# Altium PCB OSA_V100.PcbDoc (part 3 of 5)
Units mm, origin at the board's own origin, x right, y up, seen from the top; angles counter-clockwise.
Board outline 82 x 80 mm, 6 copper layers ([L1] TOP, [L2] GND_1, [L3] SIGNAL, [L4] POWER, [L5] GND_2, [L6] BOTTOM), stack 1.608 mm thick; 297 components, 180 nets, 1222 pads, 1522 vias.
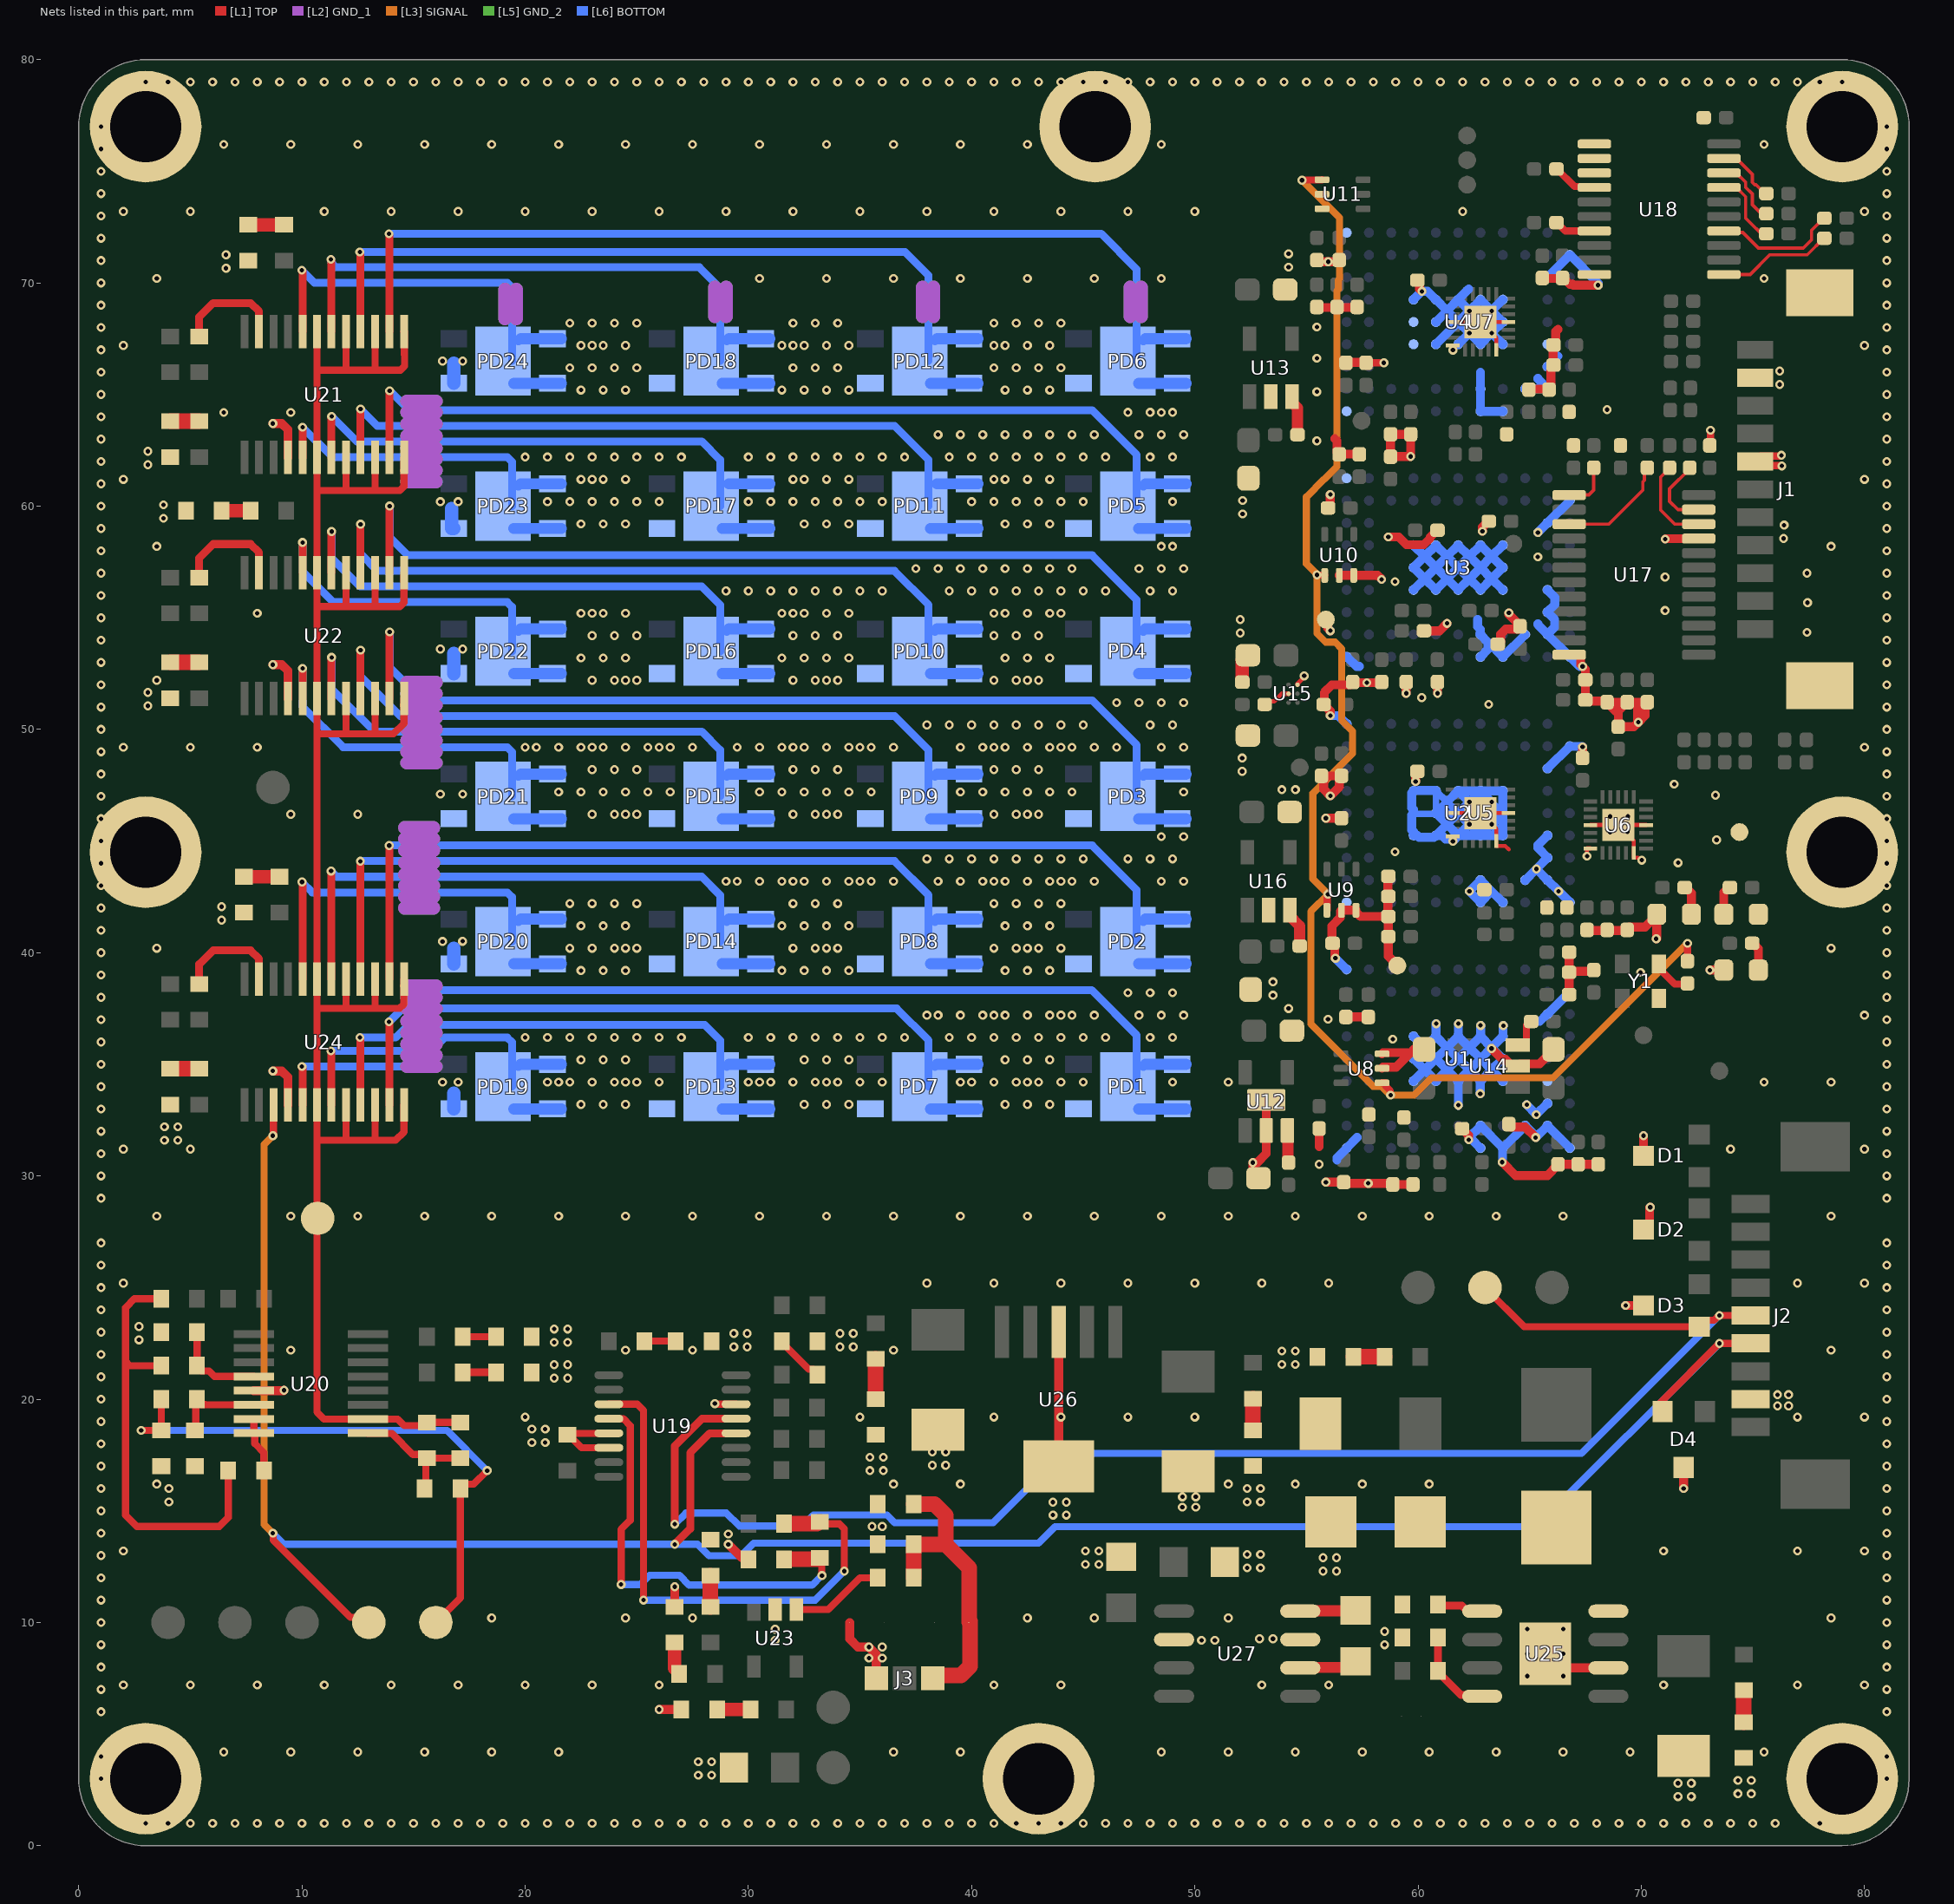
[diagram p7: the nets of this part, all layers, seen from the top]

## Via types
v1: diameter 0.4, hole 0.2, [L1] TOP to [L6] BOTTOM, tented both sides, 1522 vias

## Nets (pads, with @x,y where several pads share a name; then routed paths per layer and width w, separated by ;. In a path a pad name is that pad's centre, name@x,y a point inside that pad or via, vN(x,y) a via of type N, cw(c..) or ccw(c..) an arc to the next point about the centre after c; other vN are vias at no path point) (continued)
GND: C1.1 C2.1 C3.1 C4.1 C5.1 C6.1 C7.1 C8.1 C9.1 C10.1 C11.1 C12.1 C13.1 C14.1 C15.1 C16.1 C17.1 C18.1 C19.1 C20.1 C21.1 C22.1 C23.1 C24.1 C25.1 C26.1 C27.1 C28.1 C29.1 C30.1 C31.1 C32.1 C33.1 C34.1 C35.1 C36.1 C37.1 C38.1 C39.1 C40.1 C41.1 C42.1 C43.1 C44.1 C45.1 C46.1 C47.1 C48.1 C49.1 C50.1 C51.1 C52.1 C53.1 C54.1 C55.1 C56.1 C57.1 C58.1 C59.1 C60.1 C61.1 C62.1 C63.1 C64.1 C65.1 C66.1 C67.1 C68.1 C69.2 C70.2 C71.2 C72.2 C73.2 C74.2 C75.2 C76.2 C77.2 C78.2 C79.1 C80.1 C81.1 C82.1 C86.1 C87.1 C88.1 C92.1 C93.1 C94.1 C95.1 C96.1 C100.1 C101.1 C104.1 C105.1 C108.1 C109.1 C110.2 C113.1 C114.1 C118.2 C119.2 C120.1 C121.1 C124.2 C125.2 C126.1 C127.1 C128.2 C130.1 C131.1 C133.1 D1.2 D2.2 D3.2 D4.2 D5.1 DO1.1 DO2.1 DO3.1 H5.1 H6.1 H7.1 H8.1 H9.1 H10.1 H11.1 H12.1 J1.7 J1.10 J1.M1 J1.M2 J2.2 J3.1 JP2.2 PD1.1 PD2.1 PD3.1 PD4.1 PD5.1 PD6.1 PD7.1 PD8.1 PD9.1 PD10.1 PD11.1 PD12.1 PD13.1 PD14.1 PD15.1 PD16.1 PD17.1 PD18.1 PD19.1 PD20.1 PD21.1 PD22.1 PD23.1 PD24.1 R1.2 R8.2 R10.2 R12.2 R46.2 R63.1 R67.1 TP33.0 TP34.0 TP35.0 U1.A11 U1.B1 U1.C2 U1.D4 U1.D5 U1.D6 U1.D7 U1.D8 U1.E4 U1.E5 U1.E6 U1.E7 U1.E8 U1.F2 U1.F4 U1.F5 U1.F6 U1.F7 U1.F8 U1.G2 U1.H2 U1.H3 U1.H5 U1.J1 U1.J4 U1.J5 U1.J11 U2.A11 U2.B1 U2.C2 U2.D4 U2.D5 U2.D6 U2.D7 U2.D8 U2.E4 U2.E5 U2.E6 U2.E7 U2.E8 U2.F2 U2.F4 U2.F5 U2.F6 U2.F7 U2.F8 U2.G2 U2.H2 U2.H3 U2.H5 U2.J1 U2.J4 U2.J5 U2.J11 U3.A11 U3.B1 U3.C2 U3.D4 U3.D5 U3.D6 U3.D7 U3.D8 U3.E4 U3.E5 U3.E6 U3.E7 U3.E8 U3.F2 U3.F4 U3.F5 U3.F6 U3.F7 U3.F8 U3.G2 U3.H2 U3.H3 U3.H5 U3.J1 U3.J4 U3.J5 U3.J11 U4.A11 U4.B1 U4.C2 U4.D4 U4.D5 U4.D6 U4.D7 U4.D8 U4.E4 U4.E5 U4.E6 U4.E7 U4.E8 U4.F2 U4.F4 U4.F5 U4.F6 U4.F7 U4.F8 U4.G2 U4.H2 U4.H3 U4.H5 U4.J1 U4.J4 U4.J5 U4.J11 U5.5 U5.9 U5.21 U5.24 U5.25 U6.5 U6.9 U6.21 U6.24 U6.25 U7.5 U7.9 U7.21 U7.24 U7.25 U8.2 U8.3 U9.2 U9.3 U10.2 U10.3 U11.2 U11.3 U12.2 U12.7 U13.2 U14.2 U15.C1 U16.2 U17.12 U17.21 U18.1 U18.2 U18.3 U18.10 U19.5 U19.6 U19.14 U20.13 U21.4 U22.4 U23.2 U24.4 U25.6 U25.9 U26.3 U26.6 U27.3 U27.6 Y1.2 | length 392.8
  [L1] TOP w0.18: U5.24@61.55,45.2 v1@61.661,45.089 ; U5.21@61.55,46.25 U5.9@64.05,46.25 ; U7.24@61.55,67.2 v1@61.661,67.089 ; U7.21@61.55,68.25 U7.9@64.05,68.25 ; v1(63.298,45.752) 63.499,45.551 63.499,45.001 U5.5@63.5,45 63.5,44.786 63.501,44.785 63.905,44.785 64.07,44.62 ; v1(63.298,67.752) 63.5,67.55 U7.5@63.5,67 ; v1(67.57,44.32) 67.57,44.669 67.571,44.67 U6.24@67.72,44.67 ; U6.21@67.72,45.72 U6.25@68.97,45.72 ; U6.25@69.074,45.72 v1(69.387,45.407) ; v1(70.024,44.144) 69.964,44.144 69.853,44.255 69.671,44.255 69.67,44.256 69.67,45.02 U6.25@68.97,45.72 ; U6.9@70.22,45.72 U6.25@68.97,45.72
  [L1] TOP w0.2: U15.C1@54.6,52 54.6,52.046 54.9,52.346 v1(54.9,52.4)
  [L1] TOP w0.32: U19.6@23.75,17.825 22.525,17.825 21.95,18.4 C88.1@21.9,18.4 21.969,18.469 23.744,18.469 U19.5@23.75,18.475 ; v1(28.5,19.8) 28.522,19.8 28.541,19.781 29.444,19.781 U19.14@29.45,19.775 ; C18.1@57.67,66.42 v1(58.47,66.42) ; C80.1@73.07,62.72 73.1,62.72 v1(73.1,63.4) ; v1(76.279,62.279) 76.257,62.279 76.218,62.24 75.34,62.24 J1.7@75.1,62 75.285,61.815 76.285,61.815 v1(76.3,61.8)
  [L1] TOP w0.4: U20.13@7.847,20.382 9.182,20.382 v1(9.2,20.4) ; v1(8.7,34.7) 9.1,34.7 9.375,34.425 U24.4@9.375,33.181 ; v1(8.7,52.9) 9.1,52.9 9.375,52.625 U22.4@9.375,51.381 ; v1(8.7,63.7) 9.1,63.7 9.375,63.425 U21.4@9.375,62.181 ; v1(26,6.1) C133.1@27,6.1 ; C109.1@26.7,10.7 v1(26.7,11.6) ; v1(29.1,13.5) 29.683,12.917 29.908,12.917 R46.2@30,12.825 ; JP2.2@34.538,10 34.538,9.262 34.9,8.9 v1(35.4,8.9) 35.73,8.57 J3.1@35.73,7.5 ; U26.6@43.9,16.99 U26.3@43.9,23.01 ; C69.2@52.85,29.9 52.6,30.15 v1(52.6,30.6) 52.8,30.6 53.2,31 U12.2@53.2,32.038 U12.7@53.2,33.4 ; C56.1@55.47,68.895 C16.1@57.27,68.895 ; C67.1@55.47,71.02 55.541,70.949 56.424,70.949 R12.2@56.47,70.995 ; 55.57,31.32 C66.1@55.57,32.12 ; v1(55.87,29.72) C42.1@56.67,29.72 56.72,29.67 v1(57.77,29.67) 58.82,29.67 C21.1@58.87,29.62 C23.1@59.77,29.62 ; v1(55.87,46.02) C65.1@56.57,46.02 ; TP34.0@55.87,54.92 55.947,54.843 55.947,54.543 v1(56.07,54.42) ; C68.1@55.97,59.92 56.07,60.02 v1(56.07,60.52) ; v1(56.07,50.62) 56.07,50.82 R8.2@55.77,51.12 55.745,51.12 55.8,51.175 55.8,51.65 56.145,51.995 56.97,51.995 C52.1@57.07,52.095 ; 56.27,63.02 56.37,62.92 56.37,62.42 C50.1@56.47,62.32 56.482,62.332 57.357,62.332 R10.2@57.37,62.345 ; v1(56.298,39.752) 56.27,39.78 56.27,40.32 R1.2@56.17,40.42 56.145,40.42 56.145,41.194 56.52,41.569 56.52,41.85 U9.2@56.57,41.9 U9.3@57.22,41.9 57.22,41.82 57.42,41.62 C48.1@58.645,41.62 ; U10.2@56.47,56.9 58.19,56.9 v1(58.37,56.72) ; C37.1@56.77,37.12 C2.1@57.77,37.12 ; C58.1@56.77,66.445 C18.1@57.67,66.445 ; C52.1@57.07,52.12 C52.1@57.07,52.095 ; C30.1@58.37,52.12 58.345,52.095 v1(57.707,52.095) C52.1@57.07,52.095 ; U8.2@58.39,34.82 58.44,34.87 59.02,34.87 59.67,35.52 ; U8.3@58.39,35.47 58.44,35.52 59.67,35.52 ; C6.1@58.645,43.42 C48.1@58.645,41.62 ; v1(58.67,58.62) 59.138,58.62 59.488,58.27 60.252,58.27 60.545,58.563 60.545,58.62 60.845,58.92 C53.1@60.87,58.92 ; TP35.0@59.07,39.42 59.07,39.439 58.67,39.839 C48.1@58.67,41.62 C48.1@58.645,41.62 ; v1(59.47,51.62) C49.1@59.47,52.12 ; v1(59.895,47.67) 59.895,48.07 C62.1@59.945,48.12 ; C17.1@59.945,70.12 C17.1@59.97,70.12 60.07,70.02 60.07,69.72 v1(60.17,69.62) ; C13.1@60.27,54.42 60.97,54.42 61.297,54.747 v1(61.297,54.75) ; v1(60.87,51.62) C31.1@60.87,52.12 ; C4.1@61.945,32.12 C4.1@61.97,32.12 62.27,31.82 v1(62.27,31.62) ; v1(62.883,58.87) 62.883,59.058 63.145,59.32 C14.1@63.17,59.32 ; v1(63.294,35.708) 63.57,35.432 63.57,35.425 63.775,35.22 63.92,35.22 64.22,34.92 U14.2@64.47,34.92 64.57,35.02 65.443,35.02 66.07,35.647 C73.2@66.07,35.67 ; C12.1@63.57,53.82 63.595,53.82 63.695,53.92 63.695,54.261 63.929,54.495 64.47,54.495 64.57,54.595 64.57,54.645 64.07,55.145 v1(64.07,55.22) ; v1(63.77,30.62) 64.37,30.02 65.795,30.02 66.27,30.495 C3.1@66.27,30.52 66.87,30.52 C40.1@68.07,30.52 ; C22.1@64.07,32.32 64.07,32.295 64.17,32.195 64.795,32.195 v1(65.27,31.72) ; C36.1@64.97,65.245 65.87,65.245 65.957,65.332 65.957,66.232 66.045,66.32 66.045,67.22 C57.1@66.07,67.22 66.17,67.32 66.17,67.82 66.27,67.92 ; C60.1@65.57,70.245 65.57,70.195 C63.1@66.47,70.195 ; U25.9@65.7,8.6 66.335,7.965 U25.6@68.525,7.965 ; C63.1@66.47,70.22 C63.1@66.47,70.195 ; C1.1@66.77,38.12 C39.1@66.77,39.12 ; C41.1@66.77,40.02 C39.1@66.77,39.12 ; U17.12@66.77,53.345 67.261,53.345 67.286,53.32 v1@67.286,52.904 ; C61.1@67.37,48.745 v1(67.37,49.22) ; v1(67.37,52.82) 67.495,52.695 C47.1@67.495,51.32 67.545,51.27 68.42,51.27 C11.1@68.47,51.22 ; C7.1@67.57,40.995 C46.1@69.37,40.995 ; C64.1@67.87,39.22 67.82,39.17 66.82,39.17 C39.1@66.77,39.12 ; v1(68.067,69.9) 66.953,69.9 66.92,69.933 66.804,69.933 66.642,70.095 66.57,70.095 C63.1@66.47,70.195 ; v1(69.3,24.2) D3.2@70.1,24.2 ; C46.1@69.37,41.02 69.37,41.045 69.47,41.145 70.163,41.145 DO2.1@70.695,41.677 ; D2.2@70.1,27.6 70.125,27.6 70.375,27.85 70.375,28.575 v1(70.4,28.6) ; D1.2@70.1,30.9 v1(70.1,31.8) ; v1(70.67,40.62) 70.695,40.645 DO2.1@70.695,41.677 ; DO2.1@70.695,41.72 DO2.1@70.695,41.677 ; v1(71.07,58.52) 71.095,58.545 U17.21@72.57,58.545 ; v1(71.9,16) D4.2@71.9,16.95 ; v1(73.07,39.22) DO1.1@73.695,39.22 ; 59.67,35.52 59.82,35.67 C74.2@60.27,35.67 60.12,35.52 59.67,35.52 ; C11.1@68.47,51.22 68.47,51.195 68.845,50.82 68.97,50.82 ; C11.1@68.47,51.22 C29.1@69.37,51.22 C29.1@69.37,51.195 ; 68.97,50.82 C10.1@68.97,50.12 69.67,50.12 v1(69.87,50.32) ; 68.97,50.82 69.245,51.095 69.27,51.095 C29.1@69.37,51.195 ; C29.1@69.37,51.195 69.395,51.22 69.832,51.22 ; 69.832,51.22 69.832,50.358 v1(69.87,50.32) ; 69.832,51.22 C54.1@70.27,51.22 70.17,51.12 70.17,50.62 v1(69.87,50.32) ; C44.1@55.67,47.92 55.77,47.82 55.77,47.32 v1(56.07,47.02) 56.477,47.427 56.477,47.827 C9.1@56.57,47.92 C44.1@55.67,47.92 ; C15.1@58.77,62.217 58.776,62.223 v1(59.667,62.223) 59.67,62.226 C59.1@59.67,63.22 C33.1@58.77,63.22 C15.1@58.77,62.217
  [L1] TOP w0.6: C82.1@52.13,52.12 52.13,53.12 52.33,53.32 C75.2@52.38,53.32
  [L2] GND_1 w0.6: 14.6,42 15.9,42 ; 14.6,42.5 15.9,42.5 ; 14.6,43 15.9,43 ; 14.6,43.5 15.9,43.5 ; 14.6,44.029 15.9,44.029 ; 14.6,44.584 15.9,44.584 ; 14.6,45.1 15.9,45.1 ; 14.6,45.6 15.9,45.6 ; 14.7,34.9 16,34.9 ; 14.7,35.4 16,35.4 ; 14.7,35.9 16,35.9 ; 14.7,36.4 16,36.4 ; 14.7,36.929 16,36.929 ; 14.7,37.484 16,37.484 ; 14.7,38 16,38 ; 14.7,38.5 16,38.5 ; 14.7,48.5 16,48.5 ; 14.7,49 16,49 ; 14.7,49.5 16,49.5 ; 14.7,50 16,50 ; 14.7,50.529 16,50.529 ; 14.7,51.084 16,51.084 ; 14.7,51.6 16,51.6 ; 14.7,52.1 16,52.1 ; 14.7,61.1 16,61.1 ; 14.7,61.6 16,61.6 ; 14.7,62.1 16,62.1 ; 14.7,62.6 16,62.6 ; 14.7,63.129 16,63.129 ; 14.7,63.684 16,63.684 ; 14.7,64.2 16,64.2 ; 14.7,64.7 16,64.7 ; 19.1,68.4 19.1,69.7 ; 19.6,68.4 19.6,69.7 ; 28.5,68.5 28.5,69.8 ; 29,68.5 29,69.8 ; 37.8,68.5 37.8,69.8 ; 38.3,68.5 38.3,69.8 ; 47.1,68.5 47.1,69.8 ; 47.6,68.5 47.6,69.8
  [L5] GND_2 w0.6: 14.6,42 15.9,42 ; 14.6,42.5 15.9,42.5 ; 14.6,43 15.9,43 ; 14.6,43.5 15.9,43.5 ; 14.6,44.029 15.9,44.029 ; 14.6,44.584 15.9,44.584 ; 14.6,45.1 15.9,45.1 ; 14.6,45.6 15.9,45.6 ; 14.7,34.9 16,34.9 ; 14.7,35.4 16,35.4 ; 14.7,35.9 16,35.9 ; 14.7,36.4 16,36.4 ; 14.7,36.929 16,36.929 ; 14.7,37.484 16,37.484 ; 14.7,38 16,38 ; 14.7,38.5 16,38.5 ; 14.7,48.5 16,48.5 ; 14.7,49 16,49 ; 14.7,49.5 16,49.5 ; 14.7,50 16,50 ; 14.7,50.529 16,50.529 ; 14.7,51.084 16,51.084 ; 14.7,51.6 16,51.6 ; 14.7,52.1 16,52.1 ; 14.7,61.1 16,61.1 ; 14.7,61.6 16,61.6 ; 14.7,62.1 16,62.1 ; 14.7,62.6 16,62.6 ; 14.7,63.129 16,63.129 ; 14.7,63.684 16,63.684 ; 14.7,64.2 16,64.2 ; 14.7,64.7 16,64.7 ; 19.1,68.4 19.1,69.7 ; 19.6,68.4 19.6,69.7 ; 28.5,68.5 28.5,69.8 ; 29,68.5 29,69.8 ; 37.8,68.5 37.8,69.8 ; 38.3,68.5 38.3,69.8 ; 47.1,68.5 47.1,69.8 ; 47.6,68.5 47.6,69.8
  [L6] BOTTOM w0.3: U2.E8@59.8,46.25 59.829,46.221 60.062,46.221 60.063,46.22 60.729,46.22 60.759,46.25 U2.E7@60.8,46.25 ; v1(63.302,46.748) U2.E4@63.8,46.25 U2.E5@62.8,46.25 62.797,46.25 U2.E6@61.8,46.25 ; U2.E7@60.8,46.25 U2.E6@61.8,46.25 ; U2.E7@60.8,46.25 U2.D7@60.8,47.25 61.3,46.75 U2.E6@61.8,46.25
  [L6] BOTTOM w0.4: v1(56.07,50.62) 56.416,50.62 56.786,50.25 U2.A11@56.8,50.25 ; v1(56.298,39.752) U1.A11@56.8,39.25 ; 56.37,30.72 56.37,30.806 56.8,31.236 U1.J11@56.8,31.25 57.27,31.72 ; U3.J11@56.8,53.25 56.814,53.25 57.244,52.82 57.37,52.82 ; U1.F8@59.8,34.25 60.3,34.75 ; U1.D8@59.8,36.25 60.3,35.75 ; U3.F8@59.8,56.25 60.3,56.75 ; U3.D8@59.8,58.25 60.3,57.75 ; U4.D8@59.8,69.25 v1(60.17,69.62) 60.416,69.62 60.786,69.25 U4.D7@60.8,69.25 61.3,68.75 ; U2.D7@60.8,47.25 60.786,47.25 60.766,47.27 60.042,47.27 60.032,47.26 59.81,47.26 U2.D8@59.8,47.25 59.8,47.236 59.72,47.156 59.72,46.492 59.79,46.422 59.79,46.26 U2.E8@59.8,46.25 59.8,46.236 59.72,46.156 59.72,45.492 59.79,45.422 59.79,45.26 59.81,45.24 59.972,45.24 60.042,45.17 60.706,45.17 60.786,45.25 U2.F7@60.8,45.25 ; U4.F7@60.8,67.25 U4.E6@61.8,68.25 ; U4.E7@60.8,68.25 61.3,68.75 ; v1(60.812,36.817) 60.81,36.815 60.81,36.26 U1.D7@60.8,36.25 ; U2.F6@61.661,45.25 61.661,45.089 61.225,45.089 61.073,45.24 60.81,45.24 U2.F7@60.8,45.25 ; U2.F6@61.777,45.25 61.784,45.257 61.784,45.266 61.3,45.75 ; U1.F6@61.79,34.24 61.794,34.24 61.807,34.227 v1(61.807,33.167) ; U4.F6@61.8,67.25 v1(62.302,67.752) ; U1.D6@61.81,36.26 v1@61.81,36.815 ; U2.F6@61.811,45.261 v1(62.302,45.752) ; U2.F6@61.822,45.25 U2.F5@62.8,45.25 ; 62.27,69.72 U4.D6@61.8,69.25 ; 62.67,54.92 62.67,54.602 62.79,54.482 62.79,54.26 U3.H5@62.8,54.25 62.8,54.236 63.141,53.895 63.141,53.591 U3.J5@62.8,53.25 ; v1@62.79,33.685 U1.F5@62.79,34.24 ; U2.E5@62.797,46.25 v1(62.298,46.748) ; U1.J5@62.8,31.25 62.786,31.25 62.416,31.62 v1(62.27,31.62) 62.27,31.706 62.8,32.236 U1.H5@62.8,32.25 U1.J4@63.8,31.25 ; 62.8,66 U4.H5@62.8,65.25 U4.J5@62.8,64.25 U4.J4@63.8,64.25 ; U4.F5@62.8,67.25 U4.F5@62.8,67.253 ; U4.D5@62.8,69.25 U4.D5@62.8,69.247 ; v1(62.801,36.74) 62.801,36.268 U1.D5@62.81,36.26 ; 63.148,53.902 U3.J4@63.8,53.25 U3.H3@64.8,54.25 ; v1(63.77,30.62) 63.79,30.64 63.79,31.24 U1.J4@63.8,31.25 ; U1.F4@63.8,34.25 63.3,34.75 ; U1.D4@63.8,36.25 v1@63.3,35.75 ; U2.J4@63.8,42.25 63.3,42.75 ; U3.F4@63.8,56.25 63.3,56.75 ; U3.D4@63.8,58.25 63.3,57.75 ; U4.F4@63.8,67.25 v1(63.298,67.752) ; U4.D4@63.8,69.25 v1(63.298,68.748) ; U1.D4@63.81,36.26 63.81,36.723 v1(63.819,36.732) ; U1.H3@64.8,32.25 U1.J4@63.8,31.25 ; U2.H3@64.8,43.25 v1(65.302,43.752) ; U4.H3@64.8,65.25 U4.H2@65.8,65.25 65.8,65.264 65.37,65.694 65.37,65.72 ; U1.H3@64.814,32.25 65.27,31.794 v1(65.27,31.72) U1.H2@65.79,32.24 ; v1(64.868,33.191) 65.298,32.761 v1(65.298,32.748) U1.G2@65.8,33.25 ; 65.17,36.92 65.456,36.92 65.786,37.25 U1.C2@65.8,37.25 U1.B1@66.8,38.25 ; 65.37,54.72 65.37,54.694 U3.H2@65.8,54.264 ; v1(65.37,58.82) U3.C2@65.8,59.25 U3.B1@66.8,60.25 ; U1.H2@65.8,32.25 U1.J1@66.8,31.25 ; U2.F2@65.8,45.25 65.37,44.82 65.37,44.694 65.8,44.264 U2.G2@65.8,44.25 v1(65.302,43.752) ; U2.C2@65.8,48.25 U2.B1@66.8,49.25 66.81,49.24 67.35,49.24 v1(67.37,49.22) ; U3.G2@65.8,55.25 65.8,55.264 66.128,55.591 66.128,55.909 65.8,56.236 U3.F2@65.8,56.25 ; U4.G2@65.8,66.25 66.27,66.72 ; U4.C2@65.8,70.25 U4.B1@66.8,71.25 68.067,69.983 v1(68.067,69.9) ; U3.G2@65.81,55.24 65.81,55.229 66.122,54.917 66.122,54.585 U3.H2@65.8,54.264 ; U2.J1@66.8,42.25 v1(66.298,42.752) U2.H2@65.8,43.25 65.302,43.748 v1(65.302,43.752) ; v1(67.37,52.82) 67.244,52.82 66.814,53.25 U3.J1@66.8,53.25 U3.H2@65.8,54.25 U3.H2@65.8,54.264 ; 60.3,34.75 U1.E8@59.8,35.25 60.3,35.75 ; 60.3,34.75 U1.F7@60.8,34.25 61.3,34.75 ; 60.3,34.75 U1.E7@60.8,35.25 ; 60.3,35.75 U1.E7@60.8,35.25 ; 60.3,35.75 U1.D7@60.8,36.25 ; 60.3,56.75 U3.E8@59.8,57.25 60.3,57.75 ; 60.3,56.75 U3.E7@60.8,57.25 ; 60.3,56.75 U3.F7@60.8,56.25 61.3,56.75 ; 60.3,57.75 U3.E7@60.8,57.25 ; 60.3,57.75 U3.D7@60.8,58.25 61.3,57.75 ; U1.E7@60.8,35.25 61.3,34.75 ; U1.E7@60.8,35.25 61.3,35.75 ; U1.D7@60.8,36.25 61.3,35.75 ; U2.F7@60.8,45.25 61.3,45.75 ; U3.E7@60.8,57.25 61.3,56.75 ; U3.E7@60.8,57.25 61.3,57.75 ; 61.3,34.75 U1.F6@61.8,34.25 62.3,34.75 ; 61.3,34.75 U1.E6@61.8,35.25 ; 61.3,35.75 U1.E6@61.8,35.25 ; 61.3,35.75 U1.D6@61.8,36.25 62.3,35.75 ; 61.3,45.75 U2.E7@60.8,46.25 61.3,46.75 U2.D6@61.8,47.25 U2.D6@61.8,47.247 ; 61.3,45.75 U2.E6@61.8,46.25 ; 61.3,56.75 U3.E6@61.8,57.25 ; 61.3,56.75 U3.F6@61.8,56.25 62.3,56.75 ; 61.3,57.75 U3.E6@61.8,57.25 ; 61.3,57.75 U3.D6@61.8,58.25 62.3,57.75 ; 61.3,68.75 U4.E6@61.8,68.25 ; 61.3,68.75 U4.D6@61.8,69.25 ; U1.E6@61.8,35.25 62.3,34.75 ; U1.E6@61.8,35.25 62.3,35.75 ; U2.E6@61.8,46.25 62.298,45.752 v1(62.302,45.752) ; U2.E6@61.8,46.25 v1(62.298,46.748) ; U2.D6@61.8,47.247 61.803,47.25 U2.D5@62.8,47.25 ; U2.D6@61.8,47.247 v1(62.298,46.748) ; U3.E6@61.8,57.25 62.3,56.75 ; U3.E6@61.8,57.25 62.3,57.75 ; U4.E6@61.8,68.25 61.803,68.25 v1(62.302,68.748) ; U4.E6@61.8,68.25 62.298,67.752 v1(62.302,67.752) ; U4.D6@61.8,69.25 v1(62.302,68.748) ; v1(62.298,46.748) U2.D5@62.8,47.25 ; 62.3,34.75 U1.E5@62.8,35.25 ; 62.3,34.75 U1.F5@62.8,34.25 63.3,34.75 ; 62.3,35.75 U1.E5@62.8,35.25 ; 62.3,35.75 U1.D5@62.8,36.25 v1@63.3,35.75 ; 62.3,56.75 U3.F5@62.8,56.25 63.3,56.75 ; 62.3,56.75 U3.E5@62.8,57.25 ; 62.3,57.75 U3.E5@62.8,57.25 ; 62.3,57.75 U3.D5@62.8,58.25 63.3,57.75 ; v1(62.302,45.752) U2.F5@62.8,45.253 ; v1(62.302,45.752) U2.E5@62.8,46.25 ; v1(62.302,67.752) U4.E5@62.8,68.25 ; v1(62.302,67.752) U4.F5@62.8,67.253 ; v1(62.302,68.748) U4.E5@62.8,68.25 ; v1(62.302,68.748) U4.D5@62.8,69.247 ; U1.E5@62.8,35.25 63.3,34.75 ; U1.E5@62.8,35.25 v1@63.3,35.75 ; U2.F5@62.8,45.25 U2.F5@62.8,45.253 ; U2.F5@62.8,45.25 U2.F4@63.8,45.25 ; U2.F5@62.8,45.253 v1(63.298,45.752) ; U2.E5@62.8,46.25 v1(63.298,45.752) ; U2.E5@62.8,46.25 63.298,46.748 v1(63.302,46.748) U2.D5@62.8,47.25 ; U2.D5@62.8,47.25 U2.D4@63.8,47.25 U2.E4@63.8,46.25 ; U3.E5@62.8,57.25 63.3,57.75 ; U3.E5@62.8,57.25 63.3,56.75 ; U4.F5@62.8,67.253 v1(63.298,67.752) ; U4.E5@62.8,68.25 v1(63.298,67.752) ; U4.E5@62.8,68.25 v1(63.298,68.748) ; U4.D5@62.8,69.247 v1(63.298,68.748) ; v1(63.298,45.752) 63.302,45.752 U2.E4@63.8,46.25 ; v1(63.298,45.752) U2.F4@63.8,45.25 ; v1(63.298,67.752) 63.797,68.25 U4.E4@63.8,68.25 63.302,68.748 v1(63.298,68.748) ; 63.3,34.75 U1.E4@63.8,35.25 63.318,35.732 v1@63.3,35.75 ; 63.3,42.75 U2.J5@62.8,42.25 62.797,42.25 v1(62.298,42.748) U2.H5@62.8,43.25 63.3,42.75 ; 63.3,56.75 U3.E4@63.8,57.25 63.3,57.75 ; U2.F4@63.8,45.25 U2.E4@63.8,46.25
  [L6] BOTTOM w0.6: 16.7,59.9 16.7,59 PD23.1@16.8,59 ; PD19.1@16.8,33 16.8,33.7 ; PD20.1@16.8,39.5 16.8,40.2 ; PD22.1@16.8,52.5 16.8,53.4 ; PD24.1@16.8,65.5 16.8,66.4
  other v1: 3,1 4,1 5,1 6,1 7,1 8,1 9,1 10,1 11,1 12,1 13,1 14,1 15,1 16,1 17,1 18,1 19,1 20,1 21,1 22,1 23,1 24,1 25,1 26,1 27,1 28,1 29,1 30,1 31,1 32,1 33,1 34,1 35,1 36,1 37,1 38,1 39,1 40,1 41,1 42,1 43,1 44,1 45,1 46,1 47,1 48,1 49,1 50,1 51,1 52,1 53,1 54,1 55,1 56,1 57,1 58,1 59,1 60,1 61,1 62,1 63,1 64,1 65,1 66,1 67,1 68,1 69,1 70,1 71,1 72,1 73,1 74,1 75,1 76,1 78,1 71.643,2.2 72.243,2.2 74.33,2.328 74.93,2.328 71.643,2.8 72.243,2.8 74.33,2.928 74.93,2.928 1,3 81,3 27.757,3.157 28.357,3.157 27.757,3.757 28.357,3.757 1,4 81,4 6.5,4.2 9.5,4.2 12.5,4.2 15.5,4.2 18.5,4.2 21.5,4.2 36.5,4.2 39.5,4.2 48.5,4.2 51.5,4.2 54.5,4.2 57.5,4.2 60.5,4.2 63.5,4.2 66.5,4.2 69.5,4.2 75.5,4.2 1,6 81,6 1,7 81,7 2,7.2 5,7.2 8,7.2 11,7.2 14,7.2 17,7.2 20,7.2 23,7.2 26,7.2 41,7.2 44,7.2 53,7.2 56,7.2 71,7.2 77,7.2 80,7.2 64.9,7.6 66.5,7.6 1,8 81,8 35.4,8.4 36,8.4 64.9,8.6 66.5,8.6 36,8.9 1,9 58.5,9 81,9 31.2,9.2 50.3,9.2 50.9,9.2 52.9,9.27 53.5,9.27 58.5,9.6 31.2,9.7 64.9,9.7 66.5,9.7 1,10 81,10 18.5,10.2 24.5,10.2 27.5,10.2 42.5,10.2 45.5,10.2 51.5,10.2 78.5,10.2 1,11 81,11 1,12 81,12 55.743,12.3 56.343,12.3 52.343,12.443 52.943,12.443 45.1,12.6 45.7,12.6 55.743,12.9 56.343,12.9 1,13 81,13 52.343,13.043 52.943,13.043 2,13.2 45.1,13.2 45.7,13.2 71,13.2 77,13.2 80,13.2 29.1,13.957 1,14 81,14 35.543,14.3 36,14.3 43.647,14.809 44.247,14.809 1,15 81,15 49.443,15.165 50.043,15.165 43.643,15.39 44.243,15.39 4.043,15.4 52.343,15.4 52.943,15.4 49.444,15.624 50.044,15.624 1,16 4.043,16 52.343,16 52.943,16 81,16 3.5,16.2 36.5,16.2 39.5,16.2 51.5,16.2 54.5,16.2 57.5,16.2 60.5,16.2 35.443,16.8 36.043,16.8 1,17 81,17 38.238,17.038 38.838,17.038 35.443,17.4 36.043,17.4 38.238,17.638 38.838,17.638 1,18 81,18 20.3,18.057 20.9,18.057 20.3,18.657 20.9,18.657 1,19 81,19 20,19.2 35,19.2 41,19.2 44,19.2 47,19.2 50,19.2 77,19.2 80,19.2 76.1,19.7 76.6,19.7 1,20 81,20 76.1,20.2 76.6,20.2 21.3,20.943 21.9,20.943 1,21 81,21 21.3,21.543 21.9,21.543 53.9,21.557 54.5,21.557 1,22 81,22 53.9,22.157 54.5,22.157 9.5,22.2 24.5,22.2 27.5,22.2 36.5,22.2 78.5,22.2 29.35,22.343 29.95,22.343 34.1,22.343 34.7,22.343 21.3,22.543 21.9,22.543 2.7,22.657 29.35,22.943 29.95,22.943 34.1,22.943 34.7,22.943 1,23 81,23 21.3,23.143 21.9,23.143 2.7,23.257 1,24 81,24 1,25 81,25 2,25.2 38,25.2 41,25.2 44,25.2 47,25.2 50,25.2 53,25.2 56,25.2 77,25.2 80,25.2 1,26 81,26 1,27 81,27 3.5,28.2 9.5,28.2 12.5,28.2 15.5,28.2 18.5,28.2 21.5,28.2 24.5,28.2 27.5,28.2 30.5,28.2 33.5,28.2 36.5,28.2 39.5,28.2 42.5,28.2 45.5,28.2 48.5,28.2 51.5,28.2 54.5,28.2 57.5,28.2 60.5,28.2 63.5,28.2 66.5,28.2 78.5,28.2 1,29 81,29 1,30 81,30 55.57,30.52 1,31 81,31 2,31.2 5,31.2 74,31.2 80,31.2 3.843,31.6 4.443,31.6 1,32 81,32 3.843,32.2 4.443,32.2 1,33 81,33 22.5,33.2 23.5,33.2 24.5,33.2 32.5,33.2 33.5,33.2 34.5,33.2 41.5,33.2 42.5,33.2 43.5,33.2 62.788,33.683 1,34 81,34 16.3,34.2 17,34.2 21,34.2 21.5,34.2 22,34.2 23,34.2 24,34.2 24.5,34.2 25,34.2 26,34.2 30,34.2 30.5,34.2 31,34.2 32,34.2 33,34.2 33.5,34.2 34,34.2 35,34.2 36,34.2 39.5,34.2 40,34.2 41,34.2 42,34.2 42.5,34.2 43,34.2 44,34.2 45,34.2 49,34.2 51.5,34.2 75.5,34.2 78.5,34.2 1,35 81,35 22.5,35.2 23.5,35.2 24.5,35.2 32.5,35.2 33.5,35.2 34.5,35.2 41.5,35.2 42.5,35.2 43.5,35.2 1,36 81,36 58.867,36.123 20,36.2 21,36.2 22,36.2 23,36.2 24,36.2 25,36.2 26,36.2 27,36.2 30,36.2 31,36.2 32,36.2 33,36.2 34,36.2 35,36.2 36,36.2 37,36.2 39,36.2 40,36.2 41,36.2 42,36.2 43,36.2 44,36.2 45,36.2 46,36.2 48,36.2 49,36.2 61.812,36.817 1,37 81,37 55.97,37.02 38,37.2 38.5,37.2 39.5,37.2 40.5,37.2 41,37.2 41.5,37.2 42.5,37.2 43.5,37.2 44,37.2 44.5,37.2 45.5,37.2 47.5,37.2 48.5,37.2 49.5,37.2 80,37.2 54.2,37.5 1,38 81,38 53.5,38.093 47,38.2 48,38.2 49,38.2 53.5,38.693 1,39 81,39 69.97,39.12 22.5,39.2 23.5,39.2 24.5,39.2 31.5,39.2 32.5,39.2 33.5,39.2 34.5,39.2 41.5,39.2 42.5,39.2 43.5,39.2 1,40 81,40 3.5,40.2 22,40.2 23,40.2 24,40.2 24.5,40.2 25,40.2 32,40.2 33,40.2 33.5,40.2 34,40.2 41,40.2 42,40.2 42.5,40.2 43,40.2 44,40.2 78.5,40.2 16.3,40.5 17.199,40.51 1,41 81,41 22.5,41.2 23.5,41.2 24.5,41.2 31.5,41.2 32.5,41.2 33.5,41.2 34.5,41.2 41.5,41.2 42.5,41.2 43.5,41.2 6.4,41.457 1,42 81,42 6.4,42.057 22,42.2 23,42.2 24,42.2 25,42.2 32,42.2 33,42.2 34,42.2 41,42.2 42,42.2 43,42.2 44,42.2 1,43 81,43 29,43.2 29.5,43.2 30.5,43.2 31.5,43.2 32,43.2 32.5,43.2 33.5,43.2 34.5,43.2 35,43.2 35.5,43.2 36.5,43.2 38.5,43.2 39.5,43.2 40.5,43.2 41,43.2 41.5,43.2 42.5,43.2 43.5,43.2 44,43.2 44.5,43.2 45.5,43.2 48.5,43.2 49.5,43.2 1,44 81,44 71.65,44.025 38,44.2 39,44.2 40,44.2 41,44.2 42,44.2 43,44.2 44,44.2 45,44.2 47,44.2 48,44.2 49,44.2 58.97,44.52 1,45 61.561,44.989 81,45 73.375,45.05 48.5,45.2 49.5,45.2 68.6,45.4 1,46 81,46 68.6,46.1 69.4,46.1 9.5,46.2 12.5,46.2 23,46.2 24,46.2 24.5,46.2 25,46.2 32,46.2 33,46.2 33.5,46.2 34,46.2 41,46.2 42,46.2 42.5,46.2 43,46.2 1,47 81,47 73.325,47.05 16.2,47.1 17.2,47.1 21.5,47.2 22.5,47.2 23.5,47.2 24.5,47.2 25.5,47.2 26.5,47.2 30.5,47.2 31.5,47.2 32.5,47.2 33.5,47.2 34.5,47.2 35.5,47.2 39.5,47.2 40.5,47.2 41.5,47.2 42.5,47.2 43.5,47.2 44.5,47.2 49.5,47.2 53.9,47.3 54.507,47.3 71.475,47.55 1,48 81,48 52.123,48.12 23,48.2 24,48.2 25,48.2 32,48.2 33,48.2 34,48.2 41,48.2 42,48.2 43,48.2 52.123,48.72 1,49 81,49 2,49.2 5,49.2 8,49.2 20,49.2 20.5,49.2 21.5,49.2 22.5,49.2 23,49.2 23.5,49.2 24.5,49.2 25.5,49.2 26,49.2 26.5,49.2 27.5,49.2 29.5,49.2 30.5,49.2 31.5,49.2 32,49.2 32.5,49.2 33.5,49.2 34.5,49.2 35,49.2 35.5,49.2 36.5,49.2 39.5,49.2 40.5,49.2 41,49.2 41.5,49.2 42.5,49.2 43.5,49.2 44,49.2 44.5,49.2 45.5,49.2 46.5,49.2 48.5,49.2 49.5,49.2 80,49.2 1,50 81,50 38,50.2 39,50.2 40,50.2 41,50.2 42,50.2 43,50.2 44,50.2 45,50.2 48,50.2 49,50.2 1,51 81,51 3.1,51.057 63.167,51.123 46.5,51.2 47.5,51.2 48.5,51.2 49.5,51.2 60.167,51.423 3.1,51.657 1,52 81,52 3.5,52.2 23,52.2 24,52.2 24.5,52.2 25,52.2 32,52.2 33,52.2 33.5,52.2 34,52.2 41,52.2 42,52.2 42.5,52.2 43,52.2 1,53 81,53 22.5,53.2 23.5,53.2 24.5,53.2 31.5,53.2 32.5,53.2 33.5,53.2 34.5,53.2 41.5,53.2 42.5,53.2 43.5,53.2 16.2,53.6 17.2,53.6 1,54 81,54 23,54.2 24,54.2 25,54.2 32,54.2 33,54.2 34,54.2 41,54.2 42,54.2 43,54.2 52.037,54.32 77.425,54.35 52.037,54.92 1,55 81,55 8,55.2 22.5,55.2 23,55.2 23.5,55.2 24.5,55.2 31.5,55.2 32,55.2 32.5,55.2 33.5,55.2 34.5,55.2 41,55.2 41.5,55.2 42.5,55.2 43.5,55.2 44,55.2 71.067,55.323 77.45,55.675 1,56 81,56 29,56.2 30,56.2 31,56.2 32,56.2 33,56.2 34,56.2 35,56.2 36,56.2 39,56.2 40,56.2 41,56.2 42,56.2 43,56.2 44,56.2 45,56.2 46,56.2 48,56.2 49,56.2 58.967,56.623 71.067,56.823 1,57 77.425,57 81,57 37.5,57.2 38.5,57.2 39.5,57.2 40.5,57.2 41.5,57.2 42.5,57.2 43.5,57.2 44.5,57.2 47.5,57.2 48.5,57.2 49.5,57.2 65.367,57.723 1,58 81,58 3.5,58.2 48.5,58.2 49,58.2 78.5,58.2 76.375,58.55 1,59 81,59 76.4,59.15 22.5,59.2 23.5,59.2 24.5,59.2 32.5,59.2 33.5,59.2 34.5,59.2 41.5,59.2 42.5,59.2 43.5,59.2 3.8,59.457 52.143,59.65 1,60 81,60 3.8,60.057 16.2,60.2 17,60.2 21,60.2 22,60.2 23,60.2 24,60.2 25,60.2 26,60.2 30,60.2 31,60.2 32,60.2 33,60.2 34,60.2 35,60.2 36,60.2 40,60.2 41,60.2 42,60.2 43,60.2 44,60.2 45,60.2 49,60.2 52.143,60.25 1,61 81,61 2,61.2 22.5,61.2 23,61.2 23.5,61.2 24.5,61.2 32,61.2 32.5,61.2 33.5,61.2 34.5,61.2 41,61.2 41.5,61.2 42.5,61.2 43.5,61.2 80,61.2 3.1,61.857 1,62 81,62 20,62.2 21,62.2 22,62.2 23,62.2 24,62.2 25,62.2 26,62.2 27,62.2 30,62.2 31,62.2 32,62.2 33,62.2 34,62.2 35,62.2 36,62.2 37,62.2 39,62.2 40,62.2 41,62.2 42,62.2 43,62.2 44,62.2 45,62.2 46,62.2 48,62.2 49,62.2 3.1,62.457 55.467,62.923 1,63 81,63 38.5,63.2 39.5,63.2 40.5,63.2 41.5,63.2 42.5,63.2 43.5,63.2 44.5,63.2 45.5,63.2 47.5,63.2 48.5,63.2 49.5,63.2 1,64 81,64 6.5,64.2 9.5,64.2 47,64.2 48,64.2 48.5,64.2 49,64.2 68.467,64.323 1,65 81,65 55.467,65.123 22.5,65.2 23.5,65.2 24.5,65.2 31.5,65.2 32.5,65.2 33.5,65.2 34.5,65.2 41.5,65.2 42.5,65.2 43.5,65.2 76.2,65.45 1,66 81,66 76.2,66.05 22,66.2 23,66.2 24,66.2 25,66.2 32,66.2 33,66.2 34,66.2 41,66.2 42,66.2 43,66.2 44,66.2 16.3,66.5 17.2,66.5 55.467,66.623 1,67 61.561,66.989 81,67 2,67.2 22.5,67.2 23,67.2 23.5,67.2 24.5,67.2 31.5,67.2 32,67.2 32.5,67.2 33.5,67.2 34.5,67.2 41,67.2 41.5,67.2 42.5,67.2 43.5,67.2 80,67.2 1,68 81,68 55.467,68.023 22,68.2 23,68.2 24,68.2 25,68.2 32,68.2 33,68.2 34,68.2 41,68.2 42,68.2 43,68.2 44,68.2 1,69 81,69 1,70 81,70 3.5,70.2 30.5,70.2 33.5,70.2 36.5,70.2 39.5,70.2 42.5,70.2 45.5,70.2 48.5,70.2 75.5,70.2 6.6,70.657 54.2,70.7 55.973,70.949 1,71 81,71 6.6,71.257 54.2,71.3 1,72 81,72 1,73 81,73 2,73.2 5,73.2 11,73.2 14,73.2 17,73.2 20,73.2 23,73.2 26,73.2 29,73.2 32,73.2 35,73.2 38,73.2 41,73.2 44,73.2 47,73.2 50,73.2 62,73.2 80,73.2 1,74 81,74 1,75 81,75 1,76 81,76 6.5,76.2 9.5,76.2 12.5,76.2 15.5,76.2 18.5,76.2 21.5,76.2 24.5,76.2 27.5,76.2 30.5,76.2 33.5,76.2 36.5,76.2 39.5,76.2 42.5,76.2 48.5,76.2 75.5,76.2 1,77 81,77 3,79 4,79 5,79 6,79 7,79 8,79 9,79 10,79 11,79 12,79 13,79 14,79 15,79 16,79 17,79 18,79 19,79 20,79 21,79 22,79 23,79 24,79 25,79 26,79 27,79 28,79 29,79 30,79 31,79 32,79 33,79 34,79 35,79 36,79 37,79 38,79 39,79 40,79 41,79 42,79 43,79 44,79 45,79 46,79 47,79 48,79 49,79 50,79 51,79 52,79 53,79 54,79 55,79 56,79 57,79 58,79 59,79 60,79 61,79 62,79 63,79 64,79 65,79 66,79 67,79 68,79 69,79 70,79 71,79 72,79 73,79 74,79 75,79 76,79 77,79 78,79 79,79